# Altium PCB 891-萱250721-1.pcbdoc (part 4 of 5)
Units mil, origin at the board's own origin, x right, y up, seen from the top; angles counter-clockwise.
Board outline 6501 x 4678 mil, 4 copper layers (TopLayer, MidLayer1, MidLayer2, BottomLayer); 362 components, 337 nets, 1348 pads, 1372 vias.
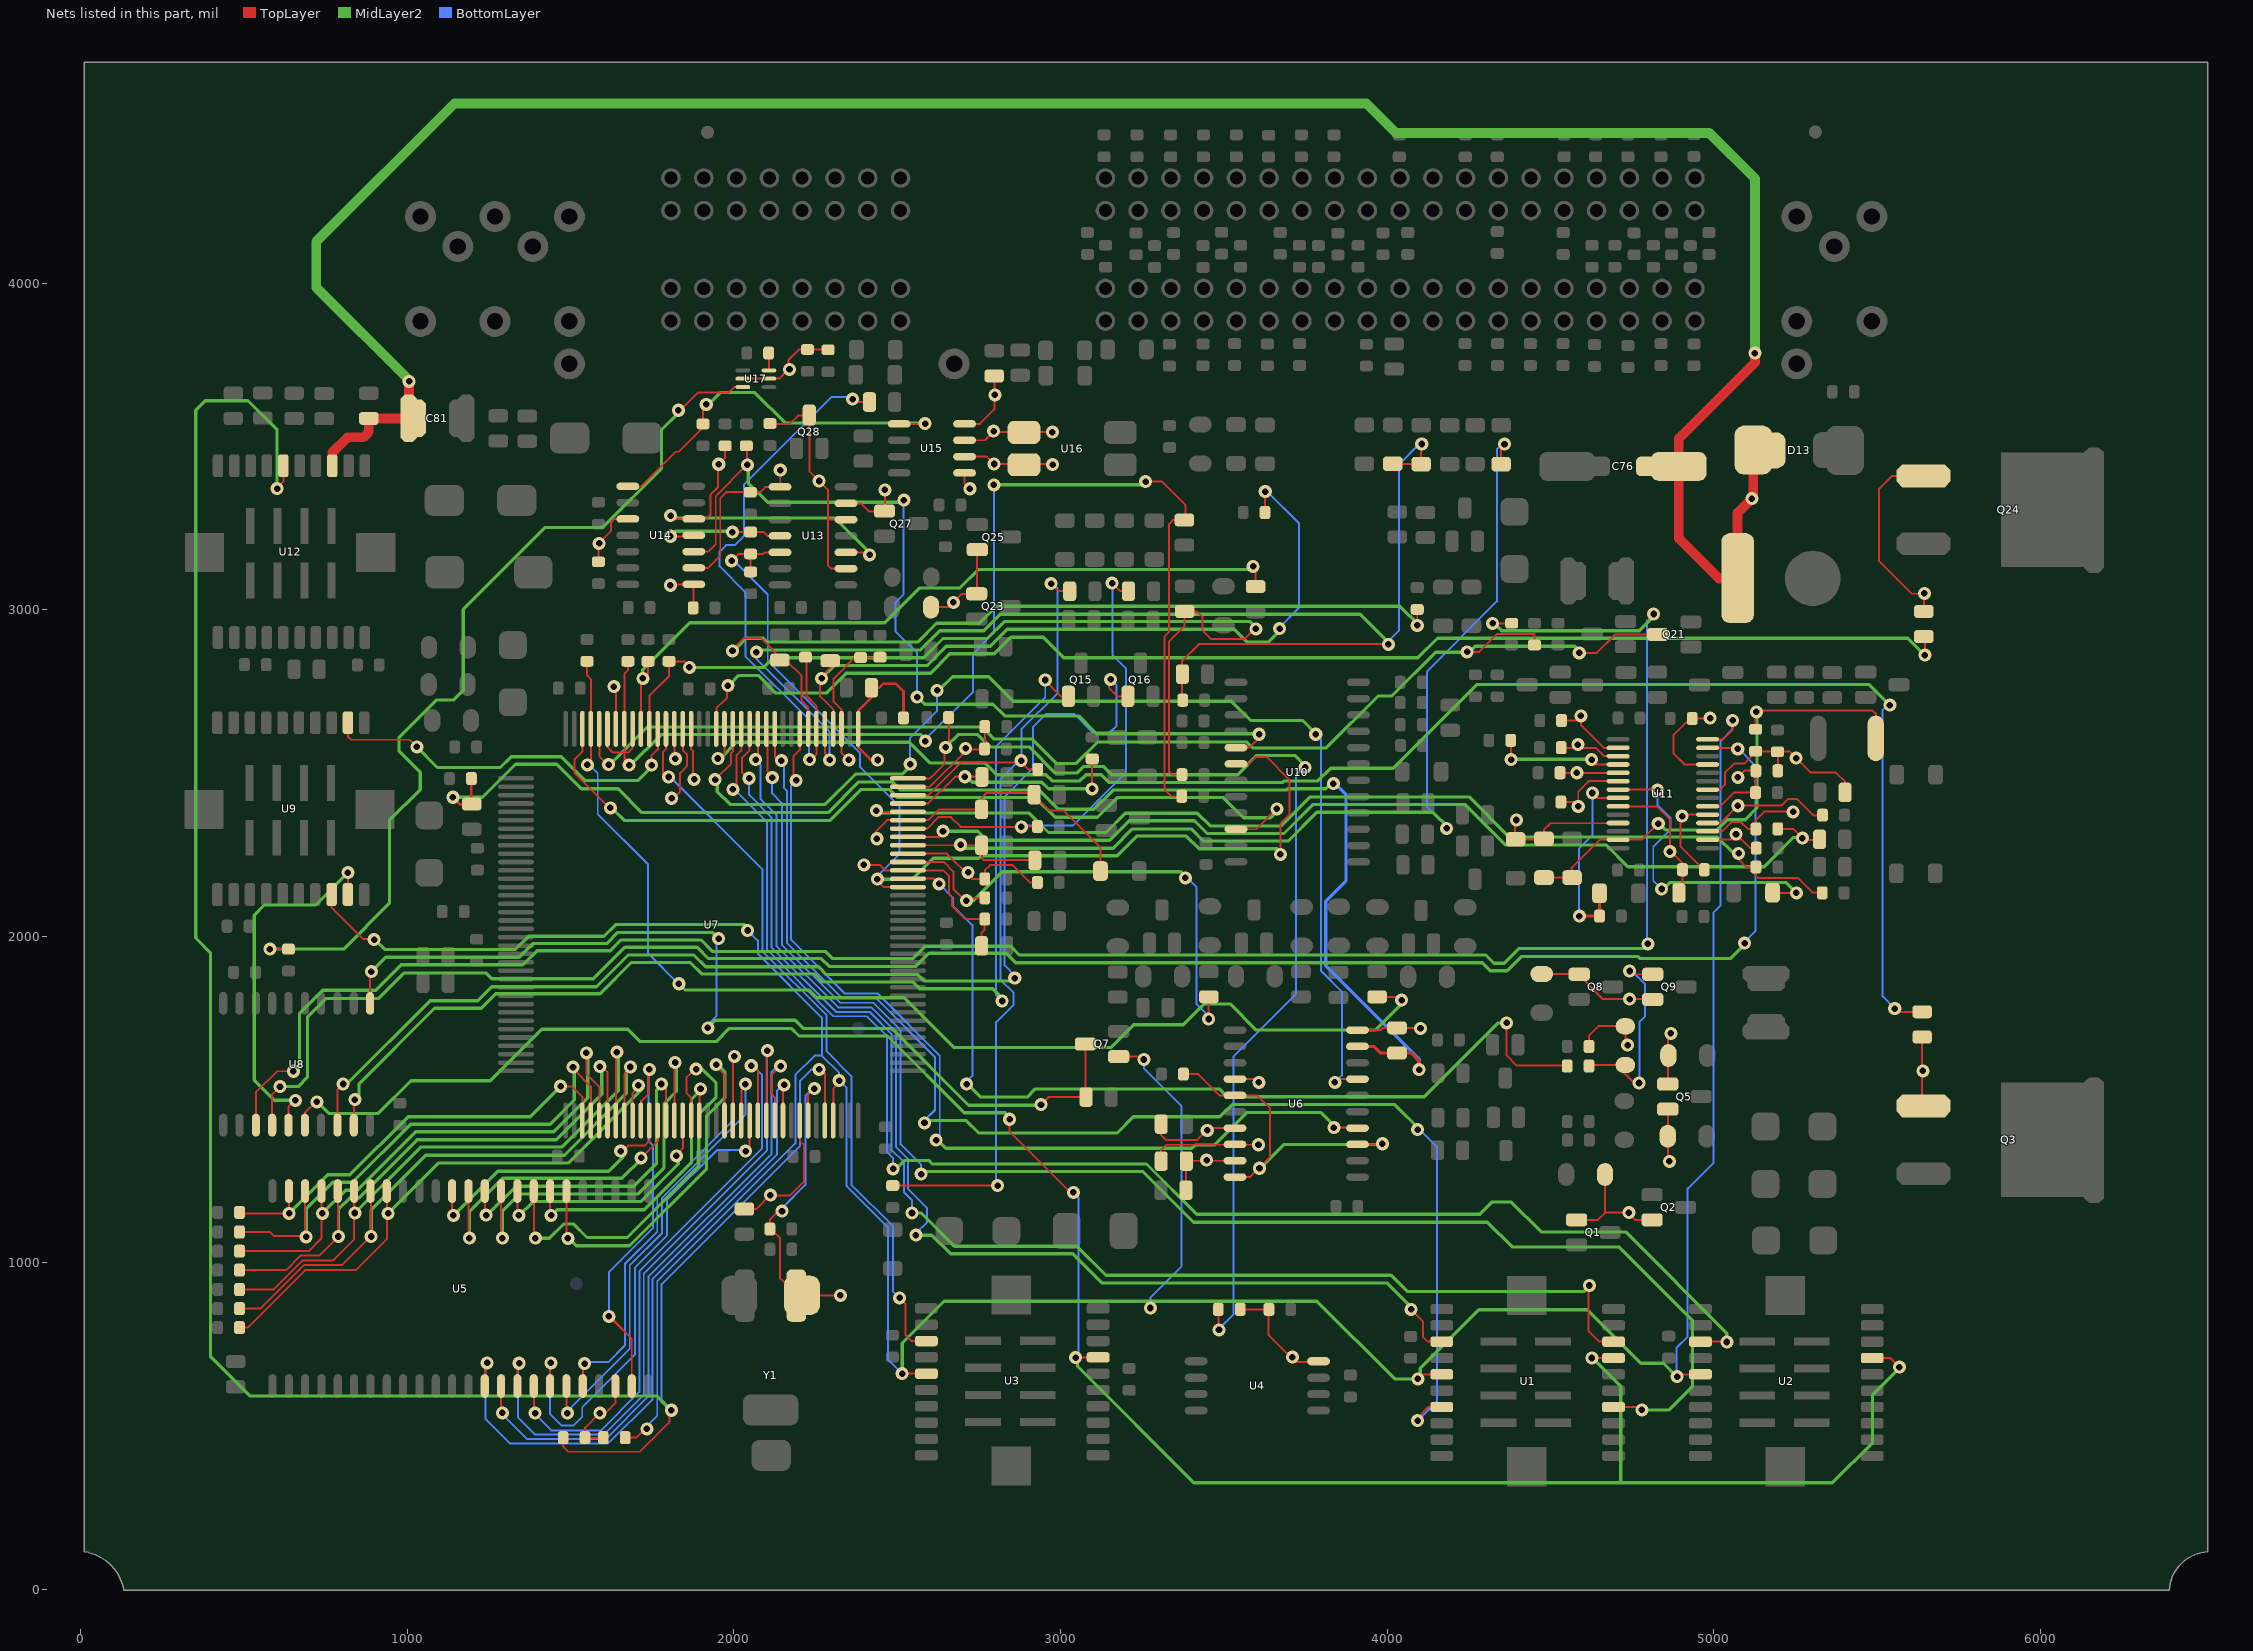
[diagram p6: the nets of this part, all layers, seen from the top]

## Via types
v1: diameter 40, hole 20, TopLayer to BottomLayer, 1372 vias

## Nets (pads, with @x,y where several pads share a name; then routed paths per layer and width w, separated by ;. In a path a pad name is that pad's centre, name@x,y a point inside that pad or via, vN(x,y) a via of type N, cw(c..) or ccw(c..) an arc to the next point about the centre after c; other vN are vias at no path point) (continued)
NewNet111: R121.1 R127.2 U7.23 U10.18 U13.12 | length 3295.3
  TopLayer w6: v1(1993,3150) 2013.88,3170.88 2089.16,3170.88 2094.28,3176 U13.12@2141,3176 ; R121.1@2051,3116 R127.2@2051,3171 ; v1@2444,2175 2444,2165 2458.01,2150.99 U7.23@2533,2150.99 ; U10.18@3537,2528 3576.28,2528 3597.91,2549.63 3630.83,2549.63 3700.41,2480.05 3700.41,2372.13 3673,2344.72 v1(3673,2251)
  MidLayer2 w10: v1@2444,2175 2546,2175 2610,2239 2749,2239 2757,2247 3173,2247 3233,2307 3385,2307 3424,2268 3663,2268 v1@3681,2250
  BottomLayer w6: v1(1993,3150) 2000.04,3150 2103.33,3046.71 2103.33,2843.38 2386.45,2560.26 2386.45,2518.17 2506.66,2397.96 2506.66,2250.88 2439.16,2183.38 v1(2439.16,2175.05)
NewNet112: R25.2 U7.24 | length 2846
  TopLayer w6: U7.24@2533,2176.58 2612.42,2176.58 v1(2628,2161) ; v1(4365.41,1735.05) 4365.41,1635.46 4396.66,1604.21 4549.79,1604.21 R25.2@4551,1603
  MidLayer2 w10: v1@2719,1547 2719,1544 2755,1508 2898,1508 2923,1533 3486,1533 3510,1509 4114,1509 4340,1735 v1@4370,1735
  BottomLayer w6: v1(2628,2161) 2670.41,2118.59 2670.41,2094.21 2729.99,2034.63 2729.99,1572.96 2712.08,1555.05 v1(2712.08,1547.55)
NewNet113: C22.2 R44.2 U7.25 | length 567.9
  TopLayer w6: v1@2403,2219 2446,2219 2462.83,2202.17 2533,2202.17 2640.83,2202.17 2659,2184 2659,2129 2668,2120 2668,2093 2708,2053 C22.2@2768,2053 2767,2052 2767,2020 2758,2011 R44.2@2758,1971
  other v1: 2397.49,2218.8
NewNet114: C25.2 R34.1 U7.26 | length 1573.3
  TopLayer w6: U7.26@2533,2227.76 2642.24,2227.76 2672,2198 2672,2145 2700,2117 2767,2117 C25.2@2768,2118 ; v1(3453,1747) 3453,1810.97 R34.1@3462.49,1820.46
  MidLayer2 w10: v1@2717,2109 2732,2109 2821,2198 3369,2198 v1@3390,2177
  BottomLayer w6: v1(3382,2179) 3388.12,2179 3416.66,2150.46 3416.66,1791.71 3453,1755.37 v1(3453,1747)
  other v1: 2711.24,2109.21
NewNet115: C27.2 R56.2 U7.27 | length 482.6
  TopLayer w6: U7.27@2533,2253.35 2651.65,2253.35 2729,2176 C27.2@2768,2176 2768,2202 2784,2218 2853,2218 2906,2165 R56.2@2929,2165
  other v1: 2717,2196
NewNet116: C32.2 R65.2 R139.2 U7.28 | length 3385.3
  TopLayer w6: U7.28@2533,2278.94 2751.06,2278.94 2760,2270 2760,2238 2764,2234 2920,2234 R65.2@2921,2233 ; R139.2@4349,3446 4349,3495.3 v1@4359.58,3505.88
  MidLayer2 w10: v1@2698,2281 2709,2270 3161,2270 3220,2329 3400,2329 3437,2292 3697,2292 3785,2380 4140,2380 v1@4188,2332
  BottomLayer w6: v1(4182.08,2330.46) 4182.08,2336.71 4121.24,2397.55 4121.24,2810.88 4335.83,3025.46 4335.83,3490.88 4352.08,3507.13 v1(4359.16,3507.13)
  other v1: 2693.74,2280.46
NewNet117: C33.2 R69.1 U7.29 | length 3096.6
  TopLayer w6: U7.29@2533,2304.53 2628.53,2304.53 v1@2646,2322 ; R69.1@5196,2329 5243,2329 5276.54,2295.46 5322.46,2295.46 C33.2@5324,2297
  MidLayer2 w10: v1@2646,2322 2747,2322 2775,2294 3150,2294 3210,2354 3410,2354 3449,2315 3684,2315 3773,2404 4238,2404 4362,2280 4670,2280 4737,2213 5154,2213 5244,2303 v1@5274,2303
  other v1: 5271,2301 2639.99,2322.13
NewNet118: C34.2 R120.2 U7.30 | length 1471.8
  TopLayer w6: U7.30@2533,2330.12 2591.12,2330.12 2626,2365 2664,2365 2694,2335 2885,2335 2886,2336 C34.2@2929,2336 ; v1(3157.49,3081.71) 3182.21,3057 R120.2@3208,3057
  BottomLayer w6: v1(2879.79,2335.05) 2884.37,2339.63 3038.33,2339.63 3200.83,2502.13 3200.83,2819.21 3159.16,2860.88 3159.16,3080.05 v1(3157.49,3081.71)
NewNet119: C36.2 R61.2 R72.2 U7.31 | length 924.9
  TopLayer w6: v1@2443,2299 2434,2308 2434,2321 2468.71,2355.72 2533,2355.72 2594.71,2355.72 2627,2388 2757,2388 C36.2@2758,2389 2758,2424 2773,2439 2911,2439 2965,2385 3010,2385 3122,2273 R61.2@3122,2200
  other v1: 2437.49,2298.8
NewNet120: C26.1 R64.2 U7.32 | length 3239.7
  TopLayer w6: v1@2440,2385 2443.69,2381.31 U7.32@2533,2381.31 ; v1(5076,2254) 5076,2235.71 5099.99,2211.71 5128.71,2211.71 5128.33,2211.33 5128.33,2186.3 5135.83,2178.8 5257.49,2178.8 5302.49,2133.8 5331.2,2133.8 C26.1@5332,2133
  MidLayer2 w10: v1@2440,2385 2447,2378 2903,2378 2963,2318 3139,2318 3198,2377 3419,2377 3458,2338 3675,2338 3764,2427 4251,2427 4374,2304 5011,2304 5061,2254 v1(5076,2254)
  other v1: 2436.24,2385.05
NewNet121: C38.2 R82.2 U7.33 | length 758.7
  TopLayer w6: U7.33@2533,2406.9 2594.9,2406.9 2677,2489 2758,2489 C38.2@2759,2488 ; v1(3096.66,2451.71) R82.2@3096.66,2542.66
  MidLayer2 w10: v1@2712,2489 2729,2472 2943,2472 2963,2452 v1@3104,2452
  other v1: 2707.08,2488.8
NewNet122: C10.2 C41.2 R119.2 U7.34 | length 2807
  TopLayer w6: C10.2@2486,1237 v1(2807,1237) ; U7.34@2533,2432.49 2594.49,2432.49 2694,2532 2880,2532 2901,2511 C41.2@2930,2511 ; v1(2970.83,3080.05) 2993.87,3057 R119.2@3028,3057
  BottomLayer w6: v1(2807,1237) 2802.91,1241.09 2802.91,1737.13 2856.24,1790.46 2856.24,1826.71 2815.83,1867.13 2815.83,2481.3 2873.74,2539.21 v1@2879.99,2539.21 ; v1(2879.16,2538.38) v1@2879.99,2539.21 ; v1(2970.83,3080.05) 2976.24,3080.05 2990.83,3065.46 2990.83,2744.63 2879.99,2633.8 v1@2879.99,2539.21
NewNet123: C42.1 R86.1 U7.35 | length 351.3
  TopLayer w6: U7.35@2533,2458.08 2600.08,2458.08 2714,2572 2765,2572 2769,2576 2769,2641 R86.1@2768,2642
  other v1: 2709.16,2575.46
NewNet124: C7.2 C51.2 U7.36 | length 3407.2
  TopLayer w6: U7.36@2533,2483.67 2600.67,2483.67 2644,2527 2644,2571 2652,2579 2659,2586 2659,2668 C51.2@2657,2670 ; C7.2@3483,858 3483,802 v1@3490,795
  MidLayer2 w10: v1@2652,2579 2652,2583 2687,2618 2746,2618 2784,2580 2904,2580 2984,2500 3050,2500 3070,2520 3132,2520 3157,2495 3542,2495 3601,2554 3717,2554 v1@3754,2517
  BottomLayer w6: v1(3484.99,795.05) 3484.99,798.8 3529.58,843.38 3529.58,1632.55 3721.24,1824.21 3721.24,2495.05 3743.33,2517.13 v1(3748.74,2517.13)
  other v1: 2648.33,2578.8
NewNet125: C55.1 R90.2 U7.37 | length 472.4
  TopLayer w8: v1@2444,2541 2418,2541 2380.83,2578.17 2380.83,2691.83 2421,2732 C55.1@2421,2761 2444,2761 2457,2774 2495,2774 2519,2750 R90.2@2519,2669
  other v1: 2439.58,2540.05
NewNet126: C68.1 R100.1 U7.39 | length 442.6
  TopLayer w6: v1@2356,2541 2349,2541 2329.65,2560.35 2329.65,2635.33 2329.65,2694.35 2305,2719 2305,2789 2370,2854 2446,2854 R100.1@2447,2855
  other v1: 2352.08,2540.46
NewNet127: C62.1 R133.2 U7.40 | length 2297.5
  TopLayer w6: C62.1@2295,2844 2295,2822 2264,2791 2264,2735 2304.06,2694.94 U7.40@2304.06,2635.33 ; R133.2@3626,3298 3626,3361.05 v1(3626.66,3361.71)
  MidLayer2 w10: v1(2268,2790) 2307,2829 2591,2829 2650,2888 2785,2888 2837,2940 3532,2940 3571,2901 3636,2901 3676,2941 v1@3678,2941
  BottomLayer w6: v1(3626.66,3361.71) 3632.91,3361.71 3729.99,3264.63 3729.99,3005.88 3670.83,2946.71 v1(3670.83,2942.13)
NewNet128: C60.2 R92.1 R136.2 R142.2 U7.41 | length 4128.4
  TopLayer w6: U7.41@2278.47,2635.33 2278.47,2560.53 v1@2298,2541 ; R92.1@3374,2723 3372.08,2724.92 3372.08,2843.38 3423.74,2895.05 4002.08,2895.05 v1(4003.33,2893.8) ; R142.2@4017,3447 4103,3447 4103.74,3447.74 4103.74,3503.38 v1@4106.24,3505.88
  MidLayer2 w10: v1@2072,2871 2078,2877 2571,2877 2630,2936 2765,2936 2815,2986 3917,2986 v1@4009,2894
  BottomLayer w6: v1(2068.74,2870.05) 2068.74,2850.46 2292.49,2626.71 v1(2292.49,2540.46) ; v1(4003.33,2893.8) 4003.33,2903.38 4036.66,2936.71 4036.66,3445.46 4098.74,3507.55 v1(4105.83,3507.55)
NewNet129: C69.1 C86.2 U7.42 | length 1840.5
  TopLayer w6: C69.1@2219,2855 2222,2852 2222,2736 2252.88,2705.12 2252.88,2635.33 2252.88,2557.88 v1@2236,2541 ; v1(2363,3645) 2372.12,3635.88 2414.88,3635.88 C86.2@2415,3636
  BottomLayer w6: v1(2231.24,2540.88) 2229.99,2542.13 2229.99,2662.55 2034.58,2857.96 2034.58,3054.21 1955.83,3132.96 1955.83,3177.96 1975.83,3197.96 2002.49,3197.96 2031.24,3226.71 2031.24,3384.21 2298.74,3651.71 2356.29,3651.71 v1(2363,3645)
NewNet130: C67.1 R117.2 U7.43 | length 2689.2
  TopLayer w6: v1@1999,2873 1999,2882 2030,2913 2083,2913 2150,2846 2159,2846 2207,2798 2207,2721 2227.29,2700.71 U7.43@2227.29,2635.33 ; v1(4092,2952) R117.2@4092,2999.55
  MidLayer2 w10: v1@1999,2873 1999,2875 2037,2913 2090,2913 2102,2901 2562,2901 2620,2959 2751,2959 2803,3011 4039,3011 v1@4099,2951
  other v1: 1995.41,2874.21
NewNet131: U6.4 U7.44 | length 2899.7
  TopLayer w6: v1@2195,2477 2182.08,2489.92 2182.08,2551.08 2201.7,2570.7 U7.44@2201.7,2635.33 ; v1(3836.66,1414.63) U6.4@3907.37,1414.63
  MidLayer2 w10: v1@2624,1376 2649,1351 3402,1351 3412,1361 3471,1361 3571,1461 3796,1461 v1@3845,1412
  BottomLayer w6: v1(2190.41,2477.55) 2174.99,2462.13 2174.99,1989.21 2339.16,1825.05 2439.79,1825.05 2629.99,1634.84 2629.99,1386.71 v1(2619.16,1375.88)
NewNet132: U1.17 U7.47 | length 4140
  TopLayer w6: U7.47@2124.93,2635.33 2124.93,2548.07 2135,2538 v1@2153,2538 ; v1(4093,517) 4093,526 4126,559 U1.17@4167,559
  MidLayer2 w10: v1@2588,1429 2595,1436 2711,1436 2749,1398 3173,1398 3223,1448 3488,1448 3525,1485 4023,1485 v1@4102,1406
  BottomLayer w6: v1(2144.99,2537.96) 2152.91,2530.05 2152.91,2455.05 2161.66,2446.3 2161.66,1980.46 2331.24,1810.88 2434.99,1810.88 2615.41,1630.46 2615.41,1468.38 2583.33,1436.3 v1(2583.33,1428.8) ; v1(4093,517) 4093.2,517 4152.08,575.88 4152.08,1356.3 4100.37,1408 v1(4093,1408)
NewNet133: U1.4 U7.48 | length 4643.8
  TopLayer w6: U7.48@2099.34,2635.33 2102,2632.67 2102,2506 v1@2123,2485 ; U1.4@4693,559 4771,559 v1(4780,550)
  MidLayer2 w10: v1@2579,1272 2587,1280 3252,1280 3407,1125 4307,1125 4383,1049 4709,1049 4935,823 4935,622 4863,550 v1@4784,550
  BottomLayer w6: v1(2117.08,2486.3) 2117.08,2437.55 2146.66,2407.96 2146.66,1975.05 2324.99,1796.71 2426.24,1796.71 2510.41,1712.55 2510.41,1362.96 2573,1300.37 v1(2573,1272)
NewNet134: U1.13 U7.49 | length 3629.2
  TopLayer w6: v1@2064.99,2536.71 2073.75,2545.47 U7.49@2073.75,2635.33 ; v1(4073,858) 4073,857 4110,820 4110,773 4124,759 U1.13@4167,759
  MidLayer2 w10: v1(2557,1085) 2606,1085 2663,1028 3037,1028 3126,939 3999,939 v1@4080,858
  BottomLayer w6: v1(2066.24,2540.88) 2080.62,2526.51 2080.62,2420.67 2129.58,2371.71 2129.58,1971.71 2318.74,1782.55 2419.99,1782.55 2496.24,1706.3 2496.24,1354.63 2533.33,1317.55 2533.33,1225.88 2591.24,1167.96 2591.24,1125.05 2557,1090.8 v1(2557,1085)
NewNet135: U1.8 U7.50 | length 4194.2
  TopLayer w6: U7.50@2048.16,2635.33 2048.16,2570.16 2025,2547 2025,2501 2042,2484 v1@2053,2484 ; v1(4619,931) 4616,928 4616,792 4649,759 U1.8@4693,759
  MidLayer2 w10: v1(2545,1153) 2573,1153 2675,1051 3050,1051 3139,962 4012,962 4061,913 4604,913 v1@4624,933
  BottomLayer w6: v1(2046.24,2484.21) 2046.24,2432.96 2114.58,2364.63 2114.58,1967.13 2313.33,1768.38 2415.41,1768.38 2482.08,1701.71 2482.08,1347.13 2519.99,1309.21 2519.99,1217.34 2545,1192.33 v1(2545,1153)
NewNet136: U2.13 U7.51 | length 4539.2
  TopLayer w6: v1@2001,2450 2008,2457 2008,2555 2022.57,2569.57 U7.51@2022.57,2635.33 ; U2.13@4959,759 5039,759 v1(5040,758)
  MidLayer2 w10: v1@2494,1285 2523,1314 2596,1314 2607,1303 3263,1303 3417,1149 4283,1149 4321,1187 4379,1187 4471,1095 4730,1095 5040,785 v1(5040,758)
  BottomLayer w6: v1(1996.66,2450.05) 2001.24,2450.05 2101.24,2350.05 2101.24,1958.8 2304.58,1755.46 2407.08,1755.46 2468.74,1693.8 2468.74,1338.8 2487,1320.54 v1(2487,1288)
NewNet137: U6.7 U7.52 | length 3564.9
  TopLayer w6: v1@1949,2480 1949,2487 1991,2529 1991,2561 1996.98,2566.98 U7.52@1996.98,2635.33 ; v1(3840,1553) 3850,1563 U6.7@3909,1563
  MidLayer2 w10: v1@1949,2480 1949,2443 1988,2404 2279,2404 2372,2497 2515,2497 v1@2545,2527 ; v1@2627,2753 2669,2795 2780,2795 2855,2720 3523,2720 3582,2661 3742,2661 v1@3785,2618
  BottomLayer w6: v1(2539.58,2527.13) 2539.58,2607.55 2621.24,2689.21 2621.24,2752.13 v1(2622.08,2752.96) ; v1(3781.24,2618.8) 3796.66,2603.38 3796.66,1895.46 3861.24,1830.88 3861.24,1574.24 v1(3840,1553)
  other v1: 1942.49,2480.05
NewNet138: R29.2 U7.53 | length 4967.7
  TopLayer w6: v1@1951.98,2540.98 1971.39,2560.39 U7.53@1971.39,2635.33 ; v1(5554,1779) 5564,1769 R29.2@5638,1769
  MidLayer2 w10: v1@1957,2546 1959,2546 2007,2594 2537,2594 2600,2531 2768,2531 2804,2495 2955,2495 2974,2476 3059,2476 3078,2495 3125,2495 3149,2471 3679,2471 3684,2476 3788,2476 3827,2515 4018,2515 4274,2771 5476,2771 v1(5539,2708)
  BottomLayer w6: v1(5539,2708) 5531.28,2708 5516.66,2693.38 5516.66,1816.3 v1(5554,1779)
  other v1: 1950.83,2544.63
NewNet139: R107.1 U7.54 | length 4047
  TopLayer w6: U7.54@1945.8,2635.33 1945.8,2697.8 1979,2731 1979,2763 v1@1985,2769 ; v1(5646,2861) R107.1@5646,2918.97
  MidLayer2 w10: v1@1985,2769 2015,2799 2074,2799 2128,2745 2283,2745 2344,2806 2602,2806 2661,2865 2797,2865 2848,2916 2947,2916 3010,2853 4094,2853 4154,2913 5594,2913 v1(5646,2861)
  other v1: 1981.24,2767.96
NewNet140: U7.57 | length 160.7
  TopLayer w6: U7.57@1869.02,2635.33 1869.02,2572.98 1875,2567 1875,2487 v1@1882,2480
  other v1: 1877.91,2480.46
NewNet141: U7.58 | length 240.4
  TopLayer w6: v1@1810.81,2418.81 1835,2443 1835,2500 1856,2521 1856,2558 1843.43,2570.57 U7.58@1843.43,2635.33
  other v1: 1809.16,2422.96
NewNet142: U7.59 | length 106.2
  TopLayer w6: U7.59@1817.84,2635.33 v1@1817.84,2552.16 ; v1@1817.84,2552.16 1826,2544 v1@1817.84,2552.16
  other v1: 1820.83,2543.8
NewNet143: U3.13 U7.60 | length 2251.3
  TopLayer w6: U7.60@1792.25,2635.33 1792.25,2574.25 1783,2565 1783,2495 1791,2487 v1@1804,2487 ; v1(2507,893) 2525,875 2525,780 2544,761 U3.13@2589,761
  BottomLayer w6: v1(1799.99,2487.96) 1804.58,2487.96 2087.08,2205.46 2087.08,1954.63 2283.33,1758.38 2283.33,1648.38 2359.58,1572.13 2359.58,1240.05 2486.24,1113.38 2486.24,913.76 v1(2507,893)
NewNet144: U7.61 U9.2 | length 1201.7
  TopLayer w6: U9.2@818,2654 818,2612 828,2602 1007,2602 v1(1029,2580) ; v1@1754,2525 1748,2531 1748,2554 1766.66,2572.66 U7.61@1766.66,2635.33
  MidLayer2 w10: v1(1029,2580) 1092,2517 1285,2517 1318,2550 1471,2550 1544,2477 1706,2477 v1@1754,2525
  other v1: 1747.91,2524.21
NewNet145: C66.1 R80.1 R116.1 U7.62 | length 2952.1
  TopLayer w6: U7.62@1741.07,2635.33 1741.07,2736.07 1801,2796 C66.1@1801,2842 1848,2842 v1@1867,2823 ; R80.1@3372,2495 3371.33,2495.67 3340.2,2495.67 3332.49,2503.38 3332.49,2903.38 3379.99,2950.88 R116.1@3380,2995 3416.71,2995 3434.99,2976.71 3434.99,2935.88 3460.83,2910.05 3562.49,2910.05 3593.74,2941.3 v1(3597.91,2941.3)
  MidLayer2 w10: v1@1867,2823 2090,2823 2120,2853 2581,2853 2640,2912 2776,2912 2828,2964 3580,2964 v1@3602,2942
  other v1: 1863.33,2823.8
NewNet146: C65.1 R115.2 U7.63 | length 2312.9
  TopLayer w6: U7.63@1715.48,2635.33 1715.48,2784.48 1737,2806 C65.1@1737,2842 ; v1(3589.58,3132.96) 3597,3125.54 R115.2@3597,3071
  MidLayer2 w10: v1(1721,2790) 1721,2816 1865,2960 2462,2960 2569,3067 2692,3067 2748,3123 3586,3123 v1@3596,3133
NewNet147: C64.1 R73.1 R129.2 U7.64 U7.65 U7.67 | length 3987.2
  TopLayer w6: U7.67@1613.12,2635.33 1613.12,2578.88 1629,2563 1676,2563 1689.89,2576.89 U7.64@1689.89,2635.33 ; C64.1@1675,2842 1675,2815 1664.3,2804.3 1664.3,2635.33 1664.3,2547.7 ; v1(1678.74,2524.63) 1664.3,2539.07 1664.3,2547.7 ; v1@1686,2526 1664.3,2547.7 ; v1(3260.41,3392.55) 3310.83,3392.55 3382.08,3321.3 3382.08,3278.08 R129.2@3379,3275 3345.36,3275 3332.49,3262.13 3332.49,2932.96 3317.49,2917.96 3317.49,2450.88 3339.37,2429 R73.1@3371,2429
  MidLayer2 w10: v1@1686,2526 1686,2527 1777,2618 2572,2618 v1@2592,2598 ; v1@2801,3383 3256,3383 v1@3266,3393
  BottomLayer w6: v1(2585.83,2597.55) 2585.83,2602.96 2732.08,2749.21 2732.08,2865.46 2795.83,2929.21 v1(2795.83,3382.55)
NewNet148: U7.66 | length 132.4
  TopLayer w6: v1(1632,2765) 1638.71,2758.29 U7.66@1638.71,2635.33
NewNet149: Q21.3 R105.1 U7.68 | length 3893.4
  TopLayer w6: U7.68@1587.53,2635.33 1587.53,2551.47 1613,2526 v1@1619,2526 ; v1(4245,2871) 4282.2,2871 4337.49,2926.3 4451,2926.3 R105.1@4451,2892 ; v1(4588,2868) 4641.7,2868 4697.49,2923.8 4827.3,2923.8 Q21.3@4828,2924.5
  MidLayer2 w10: v1@1619,2526 1734,2641 2760,2641 2797,2604 2913,2604 2988,2529 3047,2529 3113,2595 3570,2595 3588,2577 3814,2577 3973,2736 4014,2736 4148,2870 4251,2870 4269,2888 4574,2888 v1@4594,2868
  other v1: 1615.83,2525.88
NewNet150: C63.1 R36.1 U7.69 | length 3640.4
  TopLayer w6: C63.1@1550,2842 1550,2799 1561.94,2787.06 v1@1561.94,2531.94 ; v1(1551.24,2525.05) 1558.14,2531.94 v1@1561.94,2531.94 ; v1@1555,2525 v1@1561.94,2531.94 ; R36.1@3969,1815 4034,1815 v1(4044,1805)
  MidLayer2 w10: v1(1831,1855) 1850,1836 2229,1836 2253,1812 2521,1812 2673,1660 3155,1660 3224,1729 3376,1729 3440,1793 3519,1793 3599,1713 3964,1713 4051,1800 v1@4051,1808
  BottomLayer w6: v1(1551.24,2525.05) 1557.08,2525.05 1582.91,2499.21 1582.91,2374.21 1736.66,2220.46 1736.66,1948.38 1830.04,1855 v1(1831,1855)
NewNet151: U7.70 U10.22 | length 2651.5
  TopLayer w6: U7.70@1536.35,2635.33 1536.35,2567.35 1512,2543 1512,2500 1618,2394 v1@1626,2394 ; U10.22@3537,2328 3598.36,2328 3660.41,2390.05 v1(3662.49,2390.05)
  MidLayer2 w10: v1@1626,2394 1626,2393 1664,2355 2295,2355 2390,2450 2476,2450 2501,2425 2923,2425 2983,2365 3113,2365 3173,2425 3498,2425 3560,2363 3643,2363 v1@3670,2390
  other v1: 1621.66,2393.38
NewNet152: Q7.1 R2.1 U1.15 U2.15 U3.15 U7.141 U9.18 U11.28 | length 10727.5
  TopLayer w6: U9.18@768,2128 768,2088 864,1992 896,1992 v1(898,1990) ; R2.1@1667,465 1701,465 1728,492 v1(1733,492) ; U7.141@2304.06,1436.33 2304.06,1534.06 v1@2328,1558 ; v1(2515,661) U3.15@2589,661 ; Q7.1@3178,1632 3246,1632 v1(3255,1623) ; v1(4094,645) 4108,659 U1.15@4167,659 ; v1(4888,652) 4895,659 U2.15@4959,659 ; U11.28@4981,2603 5027.95,2603 5057.91,2632.96 v1(5057.91,2661.3)
  MidLayer2 w10: v1(898,1990) 900,1990 930,1960 1331,1960 1371,2000 1602,2000 1638,2036 2032,2036 2042,2026 v1(2042,2018) ; v1(2515,661) 2515,755 2643,883 3785,883 4023,645 4101,645 4101,677 4281,857 4613,857 4777,693 4846,693 4887,652 v1(4888,652)
  MidLayer2 w20: v1@3279,865 v1@3279,877
  BottomLayer w6: v1(1733,492) 1733,500.55 1764.99,532.55 1764.99,943.38 2187.91,1366.3 2187.91,1576.3 2246.66,1635.05 2269.16,1635.05 ; v1(2042,2018) 2072.91,1987.09 2072.91,1947.55 2269.16,1751.3 2269.16,1635.05 ; v1(2515,661) 2471.24,704.76 2471.24,1110.05 2344.16,1237.13 2344.16,1537.96 2321.66,1560.46 2321.66,1582.55 2269.16,1635.05 ; v1(3255,1623) 3255,1595.87 3369.99,1480.88 3369.99,988.8 3274.99,893.8 v1(3274.99,862.13) ; v1(4888,652) 4885.41,654.59 4885.41,739.63 4919.99,774.21 4919.99,1227.55 4999.16,1306.71 4999.16,2073.38 5020.83,2095.05 5020.83,2597.96 5057.91,2635.05 v1(5057.91,2661.3)
  other v1: 2321.66,1558.38
NewNet153: R1.2 U7.140 U12.6 | length 6814.3
  TopLayer w6: v1@601,3375 603,3375 620,3392 U12.6@620,3441 ; R1.2@1477,465 1477,438 1493,422 1712,422 1802,512 1802,543 v1(1808,549) ; v1@2265,1593 2278.47,1579.53 U7.140@2278.47,1436.33
  MidLayer2 w10: v1@601,3375 601,3551 512,3640 381,3640 352,3611 352,1995 397,1950 397,714 518,593 1764,593 v1(1808,549)
  BottomLayer w6: v1(1808,549) 1802.29,549 1778.33,572.96 1778.33,935.46 2202.29,1359.42 2202.29,1557.75 2237.49,1592.96 v1(2260.41,1592.96)
  other v1: 600.83,3370.88
NewNet154: R12.2 U7.138 Y1.1 | length 972.8
  TopLayer w6: v1(2147,1159) 2136,1159 2110,1133 2110,1106 2141,1075 2141,953 2194,900 2325,900 v1(2326,901) ; U7.138@2227.29,1436.33 2227.29,1515.29 v1(2246,1534)
  BottomLayer w6: v1(2147,1159) 2147,1167.47 2218.33,1238.8 2218.33,1512.13 2240.2,1534 v1(2246,1534)
NewNet155: R10.1 U7.137 | length 410.1
  TopLayer w6: R10.1@2032,1165 2068,1165 2110,1207 2172,1207 2215,1250 2215,1360 2201.7,1373.3 U7.137@2201.7,1436.33
  other v1: 2111.66,1207.96
NewNet156: U5.38 U7.135 | length 2089
  TopLayer w6: U5.38@1237,623 1237,687 v1(1244,694) ; U7.135@2150.52,1436.33 2150.52,1537.52 v1@2157,1544
  BottomLayer w6: v1(1244,694) 1239.58,689.58 1239.58,522.13 1314.99,446.71 1614.16,446.71 1750.83,583.38 1750.83,951.3 2131.04,1331.51 2131.04,1527.76 2148.74,1545.46 v1(2153.74,1545.46)
NewNet157: U5.39 U7.134 | length 1991.8
  TopLayer w6: U5.39@1287,623 1287,545 v1(1291,541) ; U7.134@2124.93,1436.33 2124.93,1506.07 2115,1516 2115,1576 2143,1604 v1@2147,1604
  BottomLayer w6: v1(1291,541) 1291,536.96 1367.08,460.88 1607.08,460.88 1737.91,591.71 1737.91,957.34 2115.41,1334.84 2115.41,1584.84 2133.54,1602.96 v1(2142.49,1602.96)
NewNet158: U5.40 U7.133 | length 2124.8
  TopLayer w6: U5.40@1337,623 1337,688 v1(1342,693) ; U7.133@2099.34,1436.33 2099.34,1643.34 v1@2107,1651
  BottomLayer w6: v1(1342,693) 1338.33,689.33 1338.33,527.55 1391.24,474.63 1601.24,474.63 1723.74,597.13 1723.74,967.13 2100.41,1343.8 2100.41,1647.96 v1(2102.49,1650.05)
NewNet159: U5.41 U7.132 | length 1820.9
  TopLayer w6: U5.41@1387,623 1387,544 v1(1391,540) ; v1@2059,1604 2073.75,1589.25 U7.132@2073.75,1436.33
  BottomLayer w6: v1(1391,540) 1391,536.96 1440.41,487.55 1592.91,487.55 1710.41,605.05 1710.41,974.63 2085.62,1349.84 2085.62,1576.51 2058.33,1603.8 v1(2052.91,1603.8)
NewNet160: U5.42 U7.131 | length 1529.4
  TopLayer w6: U5.42@1437,623 1437,689 v1@1442,694 ; v1@2040,1342 2048.16,1350.16 U7.131@2048.16,1436.33
  BottomLayer w6: v1(1439.16,693.8) 1436.24,690.88 1436.24,537.96 1472.08,502.13 1507.91,502.13 1535.41,529.63 1535.41,557.96 1696.66,719.21 1696.66,985.67 1794.58,1083.59 1794.58,1192.13 1948.33,1345.88 2032.49,1345.88 v1(2035.83,1342.55)
NewNet161: U5.43 U7.130 | length 1436
  TopLayer w6: U5.43@1487,623 1487,545 v1@1492,540 ; U7.130@2022.57,1436.33 2022.57,1526.57 v1@2042,1546
  BottomLayer w6: v1(1489.58,540.05) 1489.58,545.88 1680.83,737.13 1680.83,992.55 1779.99,1091.71 1779.99,1199.21 2034.58,1453.8 v1(2034.58,1547.55)
NewNet162: U5.44 U7.129 | length 1442.8
  TopLayer w6: U5.44@1537,623 1537,684 v1@1545,692 ; U7.129@1996.98,1436.33 1996.98,1624.98 v1@2005,1633
  BottomLayer w6: v1(1542.49,692.13) 1547.49,697.13 1615.83,697.13 1666.24,747.55 1666.24,997.55 1764.99,1096.3 1764.99,1204.63 1997.49,1437.13 1997.49,1628.8 v1(2001.24,1632.55)
NewNet163: U5.6 U7.128 | length 1208
  TopLayer w6: U5.6@1487,1220 1487,1083 v1@1495,1075 ; v1@1950,1608 1950,1598 1971.39,1576.61 U7.128@1971.39,1436.33
  MidLayer2 w10: v1@1495,1075 1517,1053 1680,1053 1916,1289 1916,1450 1972,1506 1972,1586 v1@1950,1608
  other v1: 1491.24,1075.05 1945.41,1607.55
NewNet164: U5.7 U7.125 | length 908.3
  TopLayer w6: U5.7@1437,1220 1437,1151 v1@1442,1146 ; U7.125@1894.61,1436.33 1894.61,1526.61 v1@1901,1533
  MidLayer2 w10: v1@1442,1146 1459,1163 1725,1163 1870,1308 1870,1502 v1@1901,1533
  other v1: 1439.99,1145.88 1897.49,1532.96
NewNet165: U5.8 U7.124 | length 1303.3
  TopLayer w6: U5.8@1387,1220 1387,1081 v1(1392,1076) ; U7.124@1869.02,1436.33 1869.02,1505.98 1855,1520 1855,1569 1879,1593 v1@1889,1593
  MidLayer2 w10: v1(1392,1076) 1435,1076 1478,1119 1509,1119 1550,1078 1673,1078 1892,1297 1892,1455 1945,1508 1945,1551 1903,1593 v1@1889,1593
  other v1: 1883.74,1593.8
NewNet166: U5.9 U7.123 | length 767.4
  TopLayer w6: U5.9@1337,1220 1337,1151 v1@1342,1146 ; v1@1829,1328 1829,1337 1843.43,1351.43 U7.123@1843.43,1436.33
  MidLayer2 w10: v1@1342,1146 1343,1146 1385,1188 1714,1188 1829,1303 v1@1829,1328
  other v1: 1341.24,1145.88 1823.74,1327.96
NewNet167: U5.10 U7.122 | length 1296.7
  TopLayer w6: U5.10@1287,1220 1287,1080 v1(1291,1076) ; U7.122@1817.84,1436.33 1817.84,1607.84 v1@1824,1614
  MidLayer2 w10: v1(1291,1076) 1291,1159 1343,1211 1705,1211 1786,1292 1786,1488 1824,1526 v1@1824,1614
  other v1: 1819.99,1613.8
NewNet168: U5.11 U7.121 | length 1028.3
  TopLayer w6: U5.11@1237,1220 1237,1152 v1@1242,1147 ; v1@1782,1548 1792.25,1537.75 U7.121@1792.25,1436.33
  MidLayer2 w10: v1@1242,1147 1245,1147 1333,1235 1693,1235 1763,1305 1763,1529 v1@1782,1548
  other v1: 1240.83,1146.71 1777.49,1547.96
NewNet169: U5.12 U7.120 | length 958.2
  TopLayer w6: U5.12@1187,1220 1187,1079 v1(1190,1076) ; v1@1719,1322 1719,1325 1766.66,1372.66 U7.120@1766.66,1436.33
  MidLayer2 w10: v1(1190,1076) 1190,1157 1292,1259 1657,1259 1719,1321 v1@1719,1322
  other v1: 1715.41,1321.71
NewNet170: U5.13 U7.119 | length 843.6
  TopLayer w6: U5.13@1137,1220 1137,1150 v1(1141,1146) ; v1@1659,1342 1676,1359 1727,1359 1741.07,1373.07 U7.119@1741.07,1436.33
  MidLayer2 w10: v1(1141,1146) 1142,1146 1277,1281 1616,1281 1659,1324 v1@1659,1342
  other v1: 1653.33,1342.55
NewNet171: U5.47 U7.118 | length 1229.7
  TopLayer w6: v1@1625,839 1625,830 1687,768 U5.47@1687,623 ; U7.118@1715.48,1436.33 1715.48,1495.48 1738.74,1518.74 1738.74,1585.74 v1@1746,1593
  BottomLayer w6: v1(1616.66,836.71) 1616.66,971.71 1752.08,1107.13 1752.08,1359.21 1738.74,1372.55 1738.74,1590.88 v1(1740.83,1592.96)
NewNet172: R3.1 U5.17 U7.117 | length 1769
  TopLayer w6: R3.1@486,802 511,802 687,978 842,978 937,1073 U5.17@937,1220 ; U7.117@1689.89,1436.33 1689.89,1520.89 v1@1712,1543
  MidLayer2 w10: v1(941,1152) 1095,1306 1492,1306 1712,1526 v1@1712,1543
  other v1: 1707.49,1543.8
NewNet173: R4.1 U5.18 U7.116 | length 1903.1
  TopLayer w6: R4.1@486,860 550,860 684,994 800,994 888,1082 888,1219 U5.18@887,1220 ; U7.116@1664.3,1436.33 1664.3,1578.3 v1@1686,1600
  MidLayer2 w10: v1(889,1081) 889,1163 1056,1330 1481,1330 1670,1519 1670,1584 v1@1686,1600
  other v1: 1682.49,1600.05
NewNet174: R5.1 U5.19 U7.115 | length 1855.4
  TopLayer w6: R5.1@486,919 591,919 680,1008 773,1008 837,1072 U5.19@837,1220 ; U7.115@1638.71,1436.33 1638.71,1638.71 v1@1646,1646
  MidLayer2 w10: v1(839,1153) 1041,1355 1473,1355 1646,1528 v1@1646,1646
  other v1: 1641.66,1645.46
NewNet175: R6.1 U5.20 U7.114 | length 1792.1
  TopLayer w6: R6.1@486,978 629,978 674,1023 731,1023 787,1079 U5.20@787,1220 ; v1@1581.24,1603.38 1593.62,1603.38 1613.12,1583.88 U7.114@1613.12,1436.33
  MidLayer2 w10: v1(789,1081) 789,1164 825,1200 853,1200 1030,1377 1456,1377 1595,1516 v1@1595,1602
  other v1: 1589.58,1601.3
NewNet176: R8.1 U5.21 U7.113 | length 1736.5
  TopLayer w6: R8.1@486,1036 698,1036 737,1075 U5.21@737,1220 ; v1@1552,1645 1548,1641 1548,1579 1587.53,1539.47 U7.113@1587.53,1436.33
  MidLayer2 w10: v1(740,1152) 811,1223 846,1223 1025,1402 1448,1402 1552,1506 v1@1552,1645
  other v1: 1548.33,1642.96
NewNet177: R11.1 U5.22 U7.112 | length 1682.2
  TopLayer w6: R11.1@486,1095 579,1095 592,1082 688,1082 v1(690,1080) 687,1083 U5.22@687,1220 ; v1@1511,1600 1511,1591 1561.94,1540.06 U7.112@1561.94,1436.33
  MidLayer2 w10: v1(690,1080) 690,1166 771,1247 832,1247 1010,1425 1437,1425 1511,1499 v1@1511,1600
  other v1: 1507.08,1599.63
NewNet178: R13.1 U5.23 U7.111 | length 1366.3
  TopLayer w6: R13.1@486,1155 489,1152 v1(638,1152) 637,1153 U5.23@637,1220 ; v1(1469,1541) 1503,1541 1536.35,1507.65 U7.111@1536.35,1436.33
  MidLayer2 w10: v1(638,1152) 756,1270 824,1270 1002,1448 1376,1448 v1(1469,1541)
NewNet179: R1.1 R2.2 U5.46 | length 263.9
  TopLayer w6: R2.2@1600,465 1599,464 1545,464 R1.1@1544,465 1544,496 1588,540 1606,540 1637,571 U5.46@1637,623
  other v1: 1589.58,540.05
NewNet180: Q7.3 R23.1 U8.1 | length 2962.6
  TopLayer w6: U8.1@886,1795 886,1888 v1(890,1892) ; v1(2940,1485) 2963,1508 R23.1@3078,1508 ; R23.1@3076,1507 Q7.3@3076,1670.5
  MidLayer2 w10: v1(890,1892) 934,1936 1342,1936 1384,1978 1610,1978 1644,2012 1934,2012 v1(1953,1993) ; v1(1920,1720) 1943,1743 2187,1743 2212,1718 2483,1718 2718,1483 2947,1483 v1@2948,1484
  BottomLayer w6: v1(1920,1720) 1920,1729.64 1946.24,1755.88 1946.24,1986.24 v1(1953,1993)
NewNet181: R104.2 U8.13 | length 6333.8
  TopLayer w6: U8.13@536,1422 536,1522 601,1587 v1(651,1587) ; v1(4323,2958) R104.2@4380,2958
  MidLayer2 w10: v1(651,1587) 670,1606 670,1764 741,1835 903,1835 981,1913 1354,1913 1397,1956 1621,1956 1654,1989 1899,1989 1934,1954 2280,1954 2302,1932 2547,1932 2585,1970 2847,1970 2874,1943 4302,1943 4327,1918 4359,1918 4404,1963 4788,1963 v1@4801,1976 ; v1@4330,2957 4351,2936 4772,2936 v1@4822,2986
  BottomLayer w6: v1(4797.91,1976.71) 4795.83,1978.8 4795.83,2966.83 v1(4816,2987)
NewNet182: U8.14 U11.27 | length 5744
  TopLayer w6: U8.14@586,1422 586,1516 v1(610,1540) ; U11.27@4981,2577.41 5069.71,2577.41 v1(5073.33,2573.8)
  MidLayer2 w10: v1(610,1540) 666,1540 694,1568 694,1753 751,1810 913,1810 991,1888 1240,1888 1258,1870 1569,1870 1666,1967 1887,1967 1922,1932 2267,1932 2291,1908 2557,1908 2597,1948 2834,1948 2863,1919 4291,1919 4315,1895 4367,1895 4410,1938 4769,1938 4775,1932 5050,1932 5096,1978 v1@5097,1978
  BottomLayer w6: v1(5073.33,2573.8) 5075.83,2573.8 5128.33,2521.3 5128.33,2017.55 5094.58,1983.8 v1(5094.58,1979.21)
NewNet183: U8.15 U9.19 | length 1156.4
  TopLayer w6: U8.15@636,1422 636,1479 655,1498 v1(657,1498) ; U9.19@818,2122 v1(818,2195)
  MidLayer2 w10: v1(657,1498) 593,1498 531,1560 531,2065 562,2096 719,2096 v1(818,2195)
NewNet184: U1.7 U2.7 U3.7 U8.16 | length 6880.4
  TopLayer w6: U8.16@686,1422 686,1460 719,1493 v1(723,1493) ; v1(2844,1440) 2844,1402 3030,1216 v1(3039,1216) ; v1(3046,710) 3047,711 U3.7@3115,711 ; v1(4627,709) U1.7@4693,709 ; U2.7@5485,709 5540,709 v1(5568,681)
  MidLayer2 w10: v1(723,1493) 724,1493 759,1458 911,1458 1011,1558 1254,1558 1412,1716 1675,1716 1713,1678 1946,1678 1986,1718 2176,1718 2199,1695 2470,1695 2705,1460 2831,1460 v1@2851,1440 ; v1(3046,710) 3052,704 3052,683 3408,327 5363,327 5486,450 5486,596 5568,678 v1(5568,681) ; v1@4633,707 4633,705 4715,623 4715,329
  BottomLayer w6: v1(3039,1216) 3054.58,1200.42 3054.58,718.58 v1(3046,710)
NewNet185: Q16.1 U8.18 | length 3765.9
  TopLayer w6: U8.18@786,1422 786,1531 v1(803,1548) ; v1(3153,2787) 3147.91,2781.91 3147.91,2761.3 3174.21,2735 Q16.1@3206,2735
  MidLayer2 w10: v1(803,1548) 815,1548 1070,1803 1215,1803 1258,1846 1579,1846 1676,1943 1877,1943 1913,1907 2259,1907 2283,1883 2563,1883 2583,1863 2857,1863 v1@2866,1872
  BottomLayer w6: v1(2859.58,1872.13) 2859.58,1880.05 2828.33,1911.3 2828.33,2427.13 2915.41,2514.21 2915.41,2640.88 2955.83,2681.3 3042.08,2681.3 3099.16,2624.21 3151.24,2624.21 3171.24,2644.21 3171.24,2768.76 v1(3153,2787)
NewNet186: Q15.1 U8.19 | length 3459.1
  TopLayer w6: U8.19@836,1422 836,1497 v1(839,1500) ; v1(2953,2785) 2953,2782.87 3000.87,2735 Q15.1@3024,2735
  MidLayer2 w10: v1(839,1500) 852,1513 852,1549 1083,1780 1226,1780 1270,1824 1590,1824 1686,1920 1866,1920 1901,1885 2247,1885 2272,1860 2549,1860 2569,1840 2792,1840 2828,1804 v1@2828,1802
  BottomLayer w6: v1(2820.83,1802.13) 2802.49,1820.46 2802.49,2581.71 2953,2732.22 v1(2953,2785)
NewNet187: R144.1 U14.8 U15.1 | length 1179.1
  TopLayer w6: U14.8@1675,3378 1715.45,3378 1821.24,3483.8 1831.24,3483.8 1905,3557.55 R144.1@1905,3569 1905,3616 v1@1915,3626 ; U15.1@2506,3569 2584,3569 v1(2585,3570)
  MidLayer2 w10: v1@1915,3626 1919,3626 1958,3665 2064,3665 2157,3572 v1@2583,3572
  other v1: 1914.99,3628.8
NewNet188: U15.5 | length 55.2
  TopLayer w6: U15.5@2706,3419 2706,3386.54 v1(2722.08,3370.46)
NewNet189: U15.6 U16.2 | length 280.1
  TopLayer w6: U15.6@2706,3469 2773.96,3469 v1(2796.66,3446.3) 2973.74,3446.3 v1(2975.83,3444.21)
NewNet190: U15.7 U16.1 | length 278.8
  TopLayer w6: U15.7@2706,3519 2768.53,3519 2793.33,3543.8 2797.91,3543.8 v1(2974.58,3543.8)
  other v1: 2794.99,3546.71
NewNet191: R152.2 U15.8 | length 212
  TopLayer w6: U15.8@2706,3569 2752.7,3569 2797,3613.3 R152.2@2797,3716
  other v1: 2798.74,3657.96
NewNet192: Q28.3 R147.1 U13.2 U13.5 | length 729.3
  TopLayer w6: R147.1@2110,3570 2110.79,3569.21 2171.24,3569.21 2196.66,3594.63 2229.79,3594.63 2230.83,3595.67 2230.83,3424.21 2288.45,3366.59 2288.45,3135.34 2297.79,3126 U13.2@2343,3126 ; 2288.45,3276 U13.5@2343,3276
  other v1: 2260.83,3394.21
NewNet193: R145.2 U13.3 U14.5 | length 1095.4
  TopLayer w6: v1(1806,3288) 1816,3278 1915.03,3278 1928.74,3291.71 1928.74,3353.38 1951.24,3375.88 1951.24,3443.38 1973,3465.14 R145.2@1973,3502 ; U13.3@2343,3176 2407,3176 v1(2415,3168)
  MidLayer2 w10: v1@1810,3289 1818,3281 2309,3281 2419,3171 v1@2419,3170
  other v1: 1953.33,3445.46
NewNet194: Q27.1 U13.6 | length 203.6
  TopLayer w6: U13.6@2343,3326 2388.62,3326 2414.16,3300.46 2459.46,3300.46 Q27.1@2461,3302 ; Q27.1@2462,3292.62 v1(2462,3367)
NewNet195: R132.1 U13.8 U14.2 | length 516.1
  TopLayer w6: U14.2@1877,3128 1920.86,3128 1957.91,3165.05 1957.91,3341.71 1976.2,3360 2079.95,3360 2095.41,3375.46 2130.41,3375.46 2141.66,3386.71 v1(2141.66,3427.55)
NewNet196: R127.1 U13.11 U14.4 | length 414.5
  TopLayer w6: v1(1805,3225) U14.4@1874,3225 ; v1(1995,3238) 2091.21,3238 2103.21,3226 U13.11@2141,3226
  MidLayer2 w10: v1@1809,3229 1820,3240 v1@1999,3240
NewNet197: R122.1 U14.10 | length 192.7
  TopLayer w6: R122.1@1585,3147 1585,3202.55 1623.74,3241.3 1623.74,3268.38 1633.36,3278 U14.10@1675,3278
  other v1: 1587,3203
NewNet198: R146.2 U10.17 U14.3 | length 2814.6
  TopLayer w6: U14.3@1877,3178 1921.28,3178 1944.16,3200.88 1944.16,3347.96 2039.58,3443.38 2039.58,3500.42 R146.2@2038,3502 ; U10.17@3537,2578 3577.53,2578 3607.91,2608.38 v1(3607.91,2618.8)
  MidLayer2 w10: v1@2044,3444 2044,3388 2103,3329 2515,3329 v1@2525,3339 ; v1@2565,2730 2584,2711 2793,2711 2829,2675 3055,2675 3110,2620 v1@3615,2620
  BottomLayer w6: v1(2520.41,3335.88) 2519.58,3335.05 2519.58,3047.55 2494.16,3022.13 2494.16,2934.63 2560.41,2868.38 v1(2560.41,2732.55)
  other v1: 2040.83,3443.38
NewNet199: R118.1 U14.1 | length 141.3
  TopLayer w6: v1(1805,3075) 1806.71,3076.71 1872.49,3076.71 1876.66,3072.55 1876.66,3007.66 R118.1@1875,3006
NewNet200: R153.2 R154.2 U17.2 U17.5 | length 315.1
  TopLayer w6: U17.2@2027,3707.5 2138.28,3707.5 2166.78,3736 2166.78,3764.75 2198.74,3796.71 2287.29,3796.71 R153.2@2288,3796
  other v1: 2170,3736
NewNet201: R42.2 U17.3 | length 2773.1
  TopLayer w6: v1(579,1961) R42.2@636,1961 ; v1@1827.91,3604.21 1828.74,3604.21 1889.99,3665.46 1984.16,3665.46 2000.7,3682 U17.3@2027,3682
  MidLayer2 w10: v1(579,1961) 805,1961 945,2101 945,2355 1039,2449 1039,2503 974,2568 974,2608 1090,2724 1142,2724 1171,2753 1171,3001 1422,3252 1598,3252 1778,3432 1778,3551 1832,3605 v1@1834,3605
  other v1: 1829.99,3610.88
NewNet202: R157.2 U17.6 | length 53.4
  TopLayer w6: R157.2@2106,3786 2107,3785 U17.6@2107,3733
NewNet203: C7.1 C8.2 U4.4 | length 350.9
  TopLayer w6: C7.1@3550,858 3632,858 3637,853 3637,779 3719,697 3788,697 U4.4@3790,699
  other v1: 3710,712
NewNet204: R27.2 U6.10 | length 196.1
  TopLayer w6: U6.10@3909,1713 3979.61,1713 3985.83,1719.21 4100.79,1719.21 v1(4102,1718)
NewNet205: C39.2 R27.1 R68.1 U6.9 | length 4330.2
  TopLayer w8: v1(1139,2426) 1160,2405 1195,2405 R68.1@1196,2406 ; C39.2@1196,2483 R68.1@1196,2406 ; R68.1@1197,2405 R68.1@1196,2406
  TopLayer w10: U6.9@3909,1663 3958.29,1663 3978.33,1642.96 4073.33,1642.96 4098,1618.29 v1(4098,1592)
  MidLayer2 w10: v1(1139,2426) 1230,2426 1331,2527 1458,2527 1533,2452 1645,2452 1718,2379 2288,2379 2382,2473 2485,2473 2510,2448 2934,2448 2993,2389 3102,2389 3161,2448 3692,2448 3696,2452 3812,2452 3829,2469 v1@3841,2469
  BottomLayer w10: v1(3834.99,2467.96) 3840.41,2467.96 3874.16,2434.21 3874.16,2170.05 3811.66,2107.55 3811.66,1909.63 4098,1623.29 v1(4098,1592)
NewNet206: C16.1 U6.3 U6.15 U6.20 | length 1080.1
  TopLayer w6: C16.1@3376,1578 3421.62,1578 3487.08,1512.55 3602.29,1512.55 3641.66,1473.17 3641.66,1325.88 3578.78,1263 U6.20@3534,1263 ; U6.3@3909,1363 3983,1363 v1(3985,1365)
  MidLayer2 w10: v1@3613,1288 3613,1291 3685,1363 3992,1363 v1@3993,1362
  other v1: 3609,1290
NewNet207: R14.2 R16.2 U6.19 | length 236.4
  TopLayer w6: R14.2@3384,1223 3383.74,1223.26 3383.74,1306.3 3390.45,1313 U6.19@3534,1313
  other v1: 3447,1315
NewNet208: R16.1 U6.18 | length 338.6
  TopLayer w6: R16.1@3308,1312 3308,1345.97 3324.03,1362 v1(3606,1362)
NewNet209: R20.1 U6.17 | length 280.8
  TopLayer w6: R20.1@3308,1425 3308,1391.21 3322.49,1376.71 3418.74,1376.71 3448.03,1406 v1(3449,1406) 3456,1413 U6.17@3534,1413
NewNet210: U6.14 | length 77.1
  TopLayer w6: U6.14@3534,1563 3597,1563 v1(3607,1553)
NewNet211: D9.1 R58.1 R59.1 R84.1 U11.13 | length 1584.1
  TopLayer w6: R58.1@4480,2180 4577.03,2180 4564.58,2192.45 4564.58,2209.63 4650.86,2295.91 4779.19,2295.91 4828.28,2345 v1(4830,2345) ; R84.1@5128,2634 5128,2685.14 5134.99,2692.13 5485.83,2692.13 5496,2681.96 D9.1@5496,2606
  MidLayer2 w10: v1@4833,2345 4852,2326 5010,2326 5041,2357 5096,2357 5132,2393 v1@5132,2687
  other v1: 5130.41,2687.55
NewNet212: R57.2 R58.2 U11.11 | length 412.4
  TopLayer w6: v1(4395.41,2356.3) 4391.66,2352.55 4391.66,2298.34 4393.29,2296.71 4477.71,2296.71 R58.2@4480,2299 4479.99,2326.3 4499.99,2346.3 4706.2,2346.3 U11.11@4707,2347.1
NewNet213: R54.2 R62.2 U11.9 | length 420.4
  TopLayer w6: U11.9@4707,2398.28 4825.1,2398.28 4865.41,2357.96 4865.41,2263.59 4903.74,2225.26 4903.74,2143.74 R54.2@4893,2133
  other v1: 4865.83,2259.21
NewNet214: C23.2 R53.2 U11.8 | length 622.5
  TopLayer w6: v1(4628,2439) 4643.13,2423.87 U11.8@4707,2423.87
  TopLayer w10: v1(4588.33,2062.13) 4658.54,2062.13 4650,2070.67 R53.2@4650,2132
  BottomLayer w6: v1(4588.33,2062.13) 4587.91,2062.55 4587.91,2269.63 4628,2309.72 v1(4628,2439)
NewNet215: R55.1 U11.7 | length 975.7
  TopLayer w6: U11.7@4707,2449.46 4826.54,2449.46 v1(4828,2448) ; R55.1@5182.95,2133 v1(5253,2133)
  MidLayer2 w10: v1@4845,2143 4867,2165 5221,2165 v1@5254,2132
  BottomLayer w6: v1(4828,2448) 4828,2400.79 4867.91,2360.88 4867.91,2327.55 4814.58,2274.21 4814.58,2170.88 v1(4840.41,2145.05)
NewNet216: C37.1 U11.6 | length 238.9
  TopLayer w6: C37.1@4532,2411 4572,2411 v1(4585,2398) 4585,2443.39 4616.66,2475.05 U11.6@4707,2475.05
NewNet217: C40.1 U11.5 | length 178.5
  TopLayer w6: C40.1@4528.5,2500.64 U11.5@4707,2500.64
  other v1: 4581,2501
NewNet218: C46.1 U11.4 | length 391.5
  TopLayer w6: v1(4379.58,2540.88) C46.1@4379.58,2601.3 ; v1(4626,2541) 4640.77,2526.23 U11.4@4707,2526.23
  MidLayer2 w10: v1@4385,2542 v1@4629,2542
NewNet219: C43.1 U11.3 | length 184.6
  TopLayer w6: C43.1@4532.91,2577.13 4639.16,2577.13 4664.47,2551.82 U11.3@4707,2551.82
  other v1: 4584,2587
NewNet220: C49.1 U11.2 | length 247.1
  TopLayer w6: C49.1@4534,2661 4595.53,2661 4593,2663.53 v1(4593,2675) 4593,2647.46 4663.05,2577.41 U11.2@4707,2577.41
NewNet221: R66.2 U11.16 | length 278.6
  TopLayer w6: 5111,2270 5111.29,2270 ; R66.2@5130,2270 5111.29,2270 ; 5085.38,2295.91 5068.29,2313 v1(5068,2313) 5050.91,2295.91 U11.16@4981,2295.91 5085.38,2295.91 ; 5085.38,2295.91 5111.29,2270
NewNet222: R69.2 U11.17 | length 320.6
  TopLayer w6: U11.17@4981,2321.5 5025.2,2321.5 5053.74,2350.05 5083.33,2350.05 5104.37,2329 R69.2@5129,2329 5129.58,2329.58 5129.58,2356.71 5154.58,2381.71 5242.29,2381.71 v1(5243,2381)
NewNet223: C35.1 U11.18 | length 403.2
  TopLayer w6: U11.18@4981,2347.1 5020.79,2347.1 5073.74,2400.05 5206.45,2400.05 5226.87,2420.46 5255.2,2420.46 5304.99,2370.67 5332.67,2370.67 C35.1@5333,2371
  other v1: 5074,2400
NewNet224: R62.1 U11.19 | length 277.2
  TopLayer w6: R62.1@4971,2204 4968.96,2204 4898.33,2274.63 4898.33,2363.33 4907.69,2372.69 U11.19@4981,2372.69
  other v1: 4903,2368
NewNet225: R75.2 R81.2 U11.20 | length 293.6
  TopLayer w6: U11.20@4981,2398.28 5019.06,2398.28 5060.83,2440.05 R75.2@5128,2440 R75.2@5128,2440 5128.74,2440.74 5128.74,2502.96 5124.16,2507.55 5093.33,2507.55 5073.95,2488.17 v1(5073.95,2486.92)
NewNet226: R74.1 R81.1 R83.2 R84.2 U11.22 | length 621
  TopLayer w6: U11.22@4981,2449.46 5019.82,2449.46 5034.16,2463.8 5034.16,2500.46 5062.91,2529.21 5092.91,2529.21 5129.99,2566.3 5231.66,2566.3 5296.66,2501.3 5373.74,2501.3 5402,2473.04 R74.1@5402,2441 ; R81.1@5196,2507 R83.2@5196,2566.47
  other v1: 5252.08,2545.88
NewNet227: R89.2 U11.25 | length 308.7
  TopLayer w6: U11.25@4981,2526.23 4910.48,2526.23 4876.24,2560.46 4876.24,2615.88 4927.49,2667.13 4988.13,2667.13 v1(4989,2668)
NewNet228: Q24.1 R107.2 | length 607.8
  TopLayer w6: Q24.1@5642,3410 5546.2,3410 5505.41,3369.21 5505.41,3149.63 5606.04,3049.01 5644,3049.01 5643.12,3048.12 5643.12,2995.12 R107.2@5643,2995
  other v1: 5645,3050
NewNet229: Q3.1 R29.1 | length 216.5
  TopLayer w6: R29.1@5638,1692 5638,1478.71 Q3.1@5640.29,1481
  other v1: 5640,1588
NewNet230: C76.1 C81.1 C85.1 D13.1 J1.1 U12.3 | length 7524.8
  TopLayer w30: U12.3@770,3441 770,3482 816,3528 865,3528 882,3545 C85.1@882,3586 C81.1@1019,3586 ; C81.1@1005,3586 v1(1005,3699) ; D13.1@5121,3489 5121,3345.01 5072.91,3296.92 5072.91,3110.05 5058.74,3095.88 5015.41,3095.88 4893,3218.29 4893,3524.3 5126,3757.3 v1(5126,3786)
  MidLayer2 w30: v1(1005,3699) 1005,3703 721,3987 721,4127 1144,4550 3937,4550 4027,4460 4986,4460 5126,4320 v1(5126,3786)
  other v1: 5116.45,3340.46
NewNet231: Q1.1 Q2.2 R15.1 | length 366.2
  TopLayer w6: Q1.1@4580,1132 4645,1132 4667,1154 ; R15.1@4667,1271 4667,1154 ; Q2.2@4811,1132 4758,1132 4736,1154 4667,1154
  other v1: 4740,1154
NewNet232: Q8.1 Q9.2 R30.1 | length 372.3
  TopLayer w6: R30.1@4473,1885 4583.79,1885 4660.79,1808 4812,1808 Q9.2@4813,1807
  other v1: 4742,1808
NewNet233: Q23.1 Q25.2 R114.1 | length 292.8
  TopLayer w6: R114.1@2603,3008 2657.11,3008 2697.49,3048.38 2742.38,3048.38 2744.58,3050.58 2744.58,3183.58 Q25.2@2745,3184
  other v1: 2671.66,3022.55
NewNet234: Q5.1 R26.2 | length 159
  TopLayer w6: Q5.1@4859,1548 4860.41,1549.41 4860.41,1694.63 v1(4868.74,1702.96)
NewNet235: Q5.2 R18.2 | length 162.1
  TopLayer w6: Q5.2@4859,1471 4859.99,1470.01 4859.99,1315.01 v1(4864,1311)
NewNet236: D7.1 Q9.1 R25.1 | length 626.7
  TopLayer w6: R25.1@4618,1603 4620.88,1605.88 4702.08,1605.88 4756.96,1551 v1(4771,1551) ; v1(4742,1894) 4752,1884 Q9.1@4813,1884
  BottomLayer w6: v1(4742,1894) 4749.17,1894 4789.58,1853.59 4789.58,1755.88 4772.91,1739.21 4772.91,1552.91 v1(4771,1551)
NewNet237: D7.2 R28.1 | length 218
  TopLayer w6: R28.1@4618,1663 4618,1697.22 4646.24,1725.46 4728.54,1725.46 4729.99,1724.01 4729.99,1673.01 v1(4736,1667)